# Altium PCB MB V7.PcbDoc (part 2 of 3) (continued)
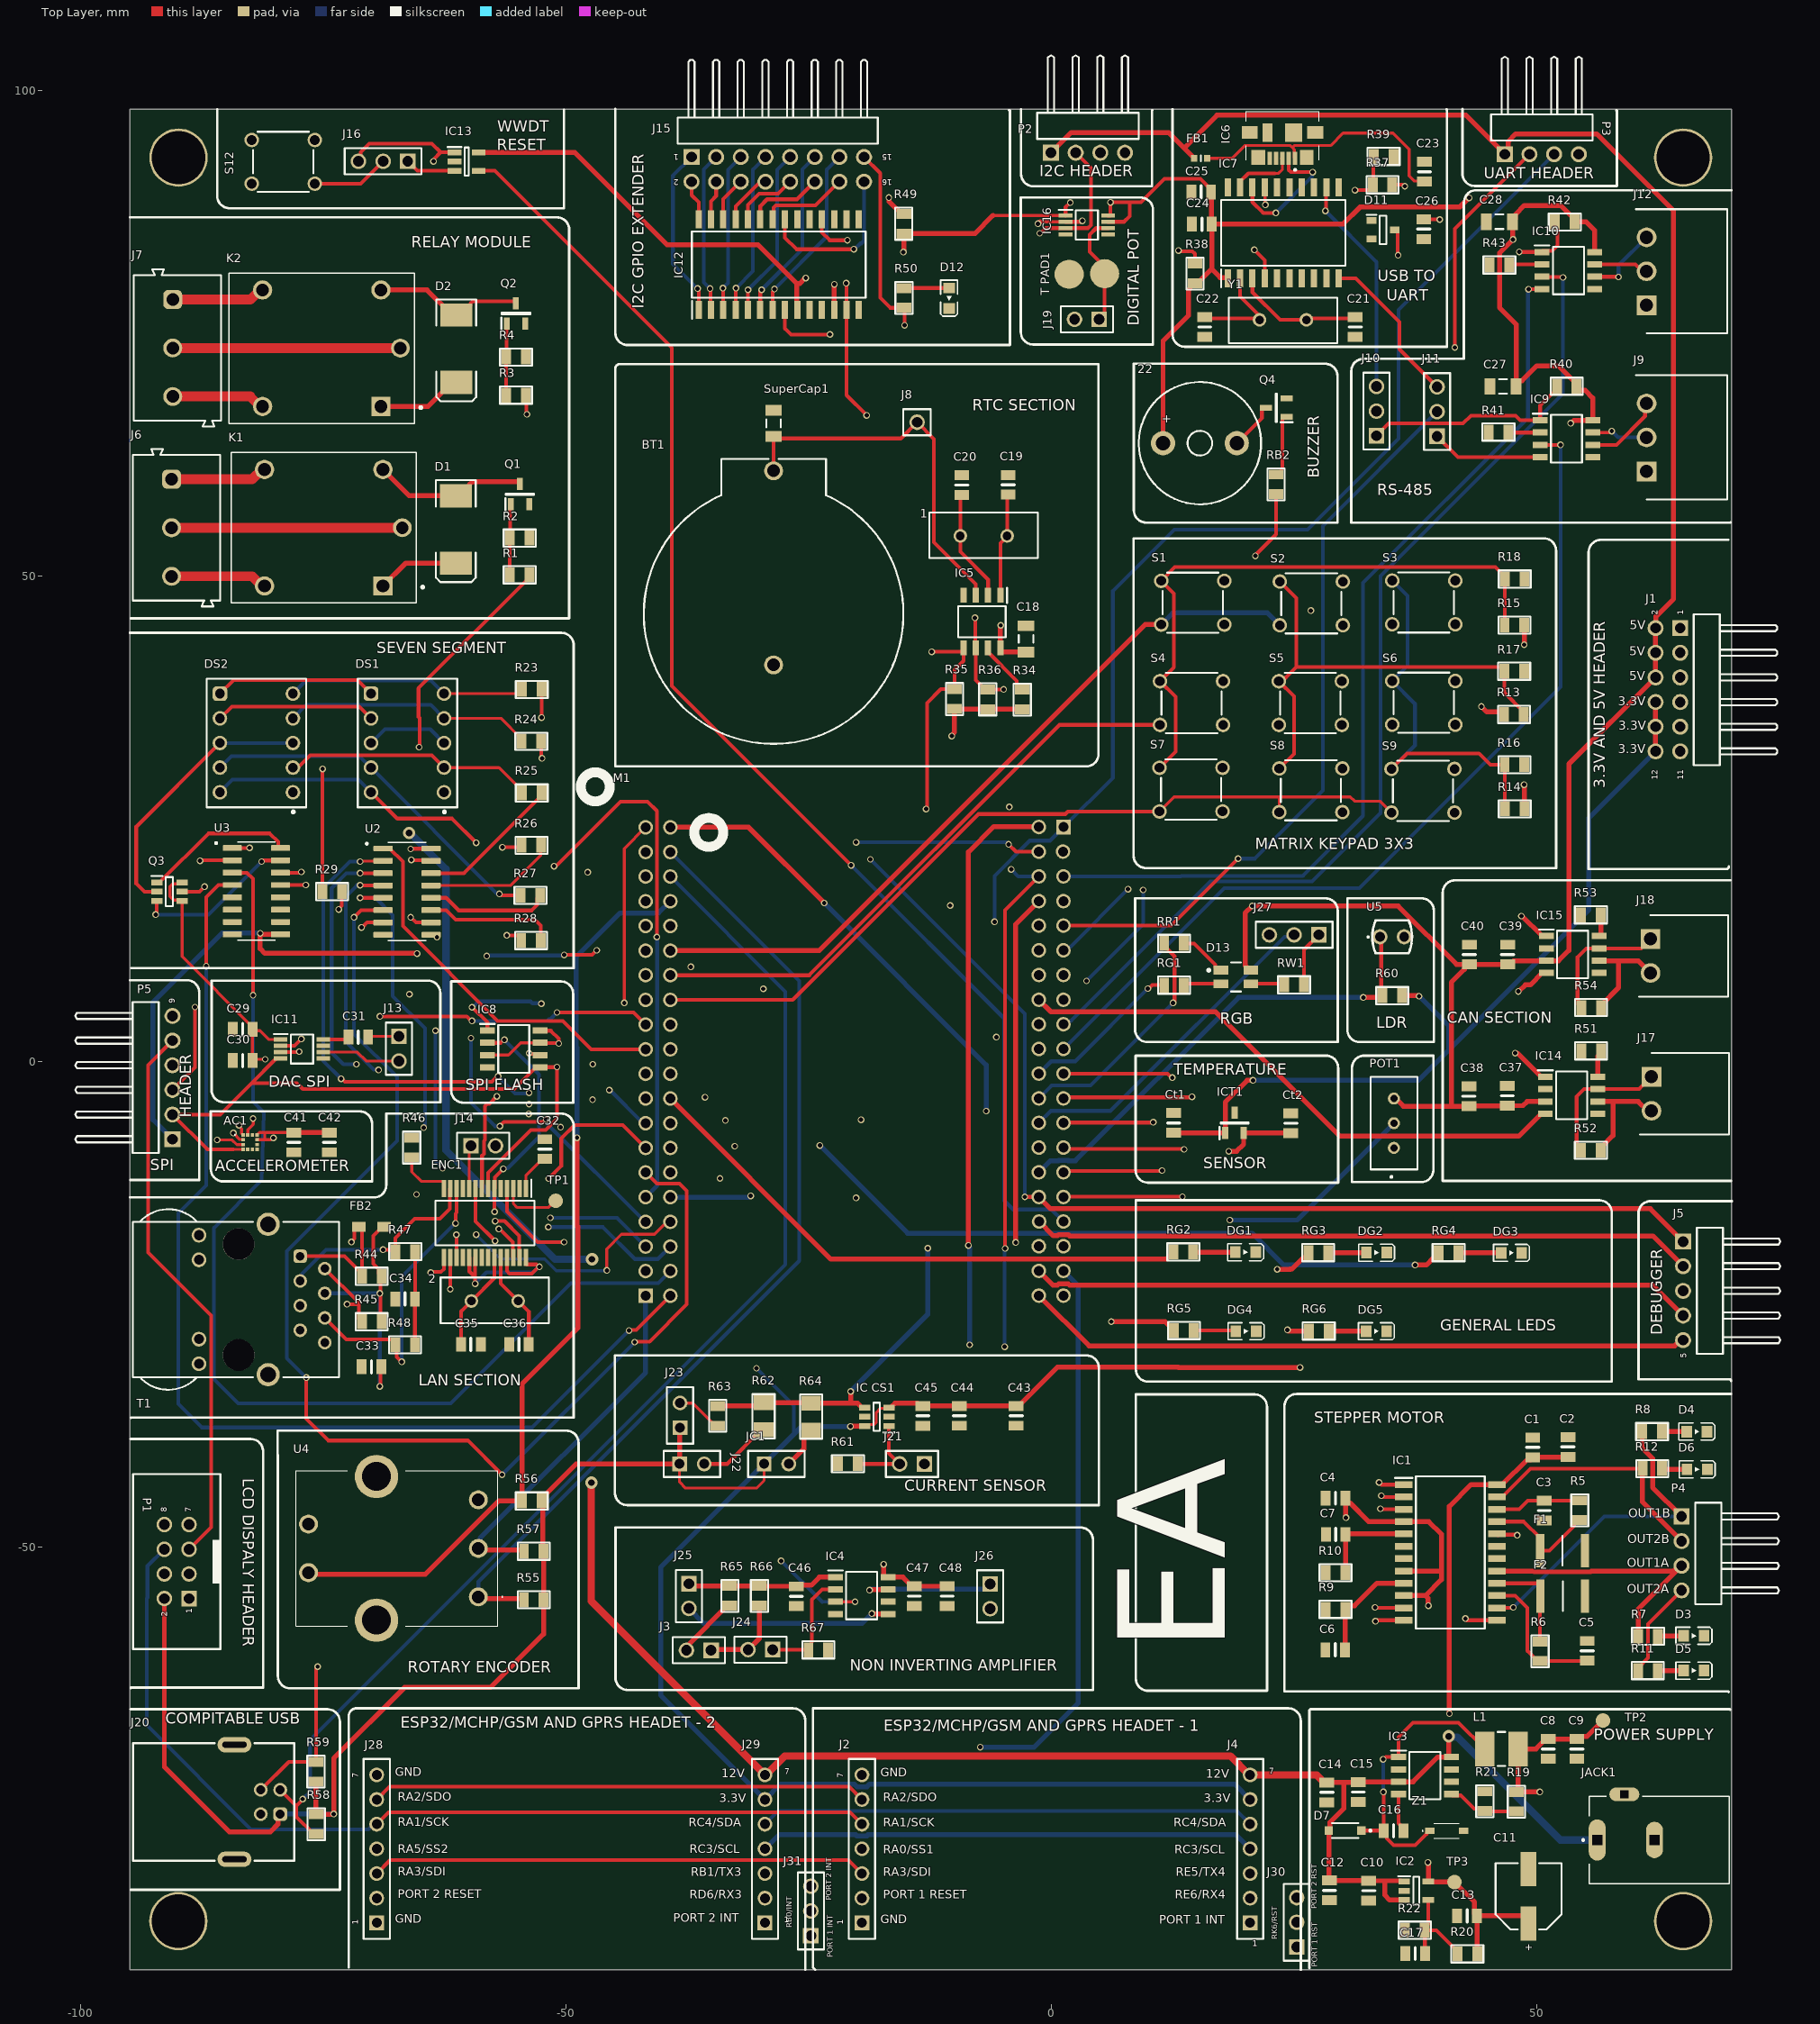
[diagram p0: Top Layer view]
## Nets (pads, with @x,y where several pads share a name; then routed paths per layer and width w, separated by ;. In a path a pad name is that pad's centre, name@x,y a point inside that pad or via, vN(x,y) a via of type N, cw(c..) or ccw(c..) an arc to the next point about the centre after c; other vN are vias at no path point) (continued)
  MID BOTTOM w0.305: v1(-47.758,19.468) -47.008,20.218 -25.171,20.218 -21.006,16.053 v1(-10.401,16.053)
CAN_Rx1: IC14.4 M1.48 | length 59
  Top Layer w0.508: M1.48@-1.27,6.35 0,5.08 16.942,5.08 29.743,-7.722 48.171,-7.722 50.482,-5.41 IC14.4@50.921,-5.41
CAN_Rx2: IC15.4 M1.50 | length 55.5
  Top Layer w0.508: v1(48.134,7.2) 48.182,7.2 48.864,7.883 49.373,7.883 50.584,9.093 IC15.4@51.023,9.093
  MID BOTTOM w0.508: M1.50@-1.27,1.27 0.051,2.591 43.498,2.591 48.107,7.2 v1(48.134,7.2)
CAN_Tx1: IC14.1 M1.47 | length 57.6
  Top Layer w0.508: v1(47.816,0.838) 48.044,0.838 50.482,-1.6 IC14.1@50.921,-1.6
  MID TOP w0.508: M1.47@-1.27,8.89 0.025,10.185 38.468,10.185 v1(47.816,0.838)
CAN_Tx2: IC15.1 M1.49 | length 57.8
  Top Layer w0.508: v1(48.451,14.961) 48.526,14.961 50.584,12.903 IC15.1@51.023,12.903
  MID BOTTOM w0.508: M1.49@-1.27,3.81 -0.025,5.055 38.545,5.055 v1(48.451,14.961)
CLKOUT: ENC1.3 TP1.1 | length 6.4
  Top Layer w0.305: ENC1.3@-55.419,-13.112 -55.419,-14.647 -55.004,-15.062 -51.823,-15.062 -51.137,-14.376 TP1.1@-51.054,-14.376
D+: IC6.3 IC7.19 | length 6.6
  Top Layer w0.305: 23.038,91.471 23.425,91.471 23.825,91.872 23.825,92.965 IC6.3@23.803,92.986
  Top Layer w0.381: IC7.19@19.469,90.019 19.469,90.619 20.321,91.471 23.038,91.471 ; IC6.3@23.803,92.986 IC6.3@23.838,93.021
D-: IC6.2 IC7.18 | length 13.9
  Top Layer w0.381: IC7.18@20.739,90.019 20.739,88.519 21.857,87.401 v1(23.152,87.401) ; IC6.2@24.488,93.021 24.488,91.816 24.711,91.592 v1(26.949,91.592)
  Bottom Layer w0.381: v1(23.152,87.401) 26.891,91.14 26.891,91.534 v1(26.949,91.592)
GND: "IC CS1.2" "IC CS1.5" "T PAD1.1" AC1.5 AC1.6 AC1.7 AC1.8 BT1.2 C1.2 C2.2 C3.2 C4.2 C5.2 C6.2 C7.2 C8.2 C9.2 C10.2 C11.1 C12.2 C13.2 C14.2 C15.2 C17.1 C18.2 C19.2 C20.2 C21.2 C22.2 C23.2 C24.2 C25.2 C26.2 C27.1 C28.1 C29.1 C30.2 C32.1 C33.2 C34.2 C35.2 C36.2 C37.2 C38.2 C39.2 C40.2 C41.2 C42.2 C43.2 C44.2 C45.1 C46.2 C47.2 C48.2 Ct1.2 Ct2.2 D3.1 D4.1 D5.1 D6.1 D11.1 D12.1 DG1.1 DG2.1 DG3.1 DG4.1 DG5.1 ENC1.2 ENC1.11 ENC1.18 ENC1.21 ENC1.22 F1.1 F2.1 IC1.6 IC1.7 IC1.18 IC1.19 IC2.2 IC3.2 IC3.6 IC3.7 IC4.4 IC4.6 IC5.4 IC6.5 IC7.20 IC8.4 IC9.5 IC10.5 IC11.5 IC11.7 IC12.10 IC12.15 IC12.16 IC12.17 IC13.2 IC14.2 IC15.2 IC16.4 IC16.5 ICT1.3 J1.1 J1.3 J1.5 J1.7 J1.9 J1.11 J2.1 J2.7 J5.3 J9.1 J12.1 J19.2 J20.4 J20.Shell J21.1 J26.2 J28.1 J28.7 JACK1.B JACK1.C M1.58 P1.7 P1.8 P2.4 P3.4 P5.6 POT1.1 Q1.2 Q2.2 Q4.2 R2.1 R4.1 R9.1 R10.1 R16.1 R17.1 R18.1 R21.1 R22.1 R39.2 R41.2 R43.2 R46.1 R51.1 R53.1 R61.1 R67.1 S12.1 SuperCap1.2 T1.8 T1.12 U4.C1 U4.E1 U5.2 Z1.2
GPA0: IC12.21 J15.16 | length 17
  Top Layer w0.381: IC12.21@-27.432,86.742 -27.426,86.736 -27.426,84.842 -26.238,83.655 v1(-20.333,83.655)
  Bottom Layer w0.381: v1(-20.333,83.655) -20.25,83.655 -19.653,84.252 -19.57,84.252 -19.279,84.544 J15.16@-19.279,90.615
GPA1: IC12.22 J15.14 | length 9.1
  Top Layer w0.381: IC12.22@-28.702,86.742 -28.599,86.845 -28.599,87.936 -28.373,88.163 -24.271,88.163 J15.14@-21.819,90.615
GPA2: IC12.23 J15.12 | length 8
  Top Layer w0.381: IC12.23@-29.972,86.742 -29.972,88.1 -29.273,88.798 -26.175,88.798 J15.12@-24.359,90.615
GPA3: IC12.24 J15.10 | length 6.8
  Top Layer w0.381: IC12.24@-31.242,86.742 -31.242,88.227 -30.086,89.383 -28.131,89.383 J15.10@-26.899,90.615
GPA4: IC12.25 J15.8 | length 5.5
  Top Layer w0.381: IC12.25@-32.512,86.742 -32.512,88.074 -30.214,90.372 -29.681,90.372 J15.8@-29.439,90.615
GPA5: IC12.26 J15.6 | length 4.6
  Top Layer w0.381: IC12.26@-33.782,86.742 -33.782,88.812 J15.6@-31.979,90.615
GPA6: IC12.27 J15.4 | length 4.1
  Top Layer w0.381: IC12.27@-35.052,86.742 -35.052,88.608 -34.519,89.141 J15.4@-34.519,90.615
GPA7: IC12.28 J15.2 | length 4.2
  Top Layer w0.381: J15.2@-37.059,90.615 -37.035,90.591 -37.035,89.219 -36.322,88.506 IC12.28@-36.322,86.742
GPB0: IC12.1 J15.1 | length 17.7
  Top Layer w0.381: v1(-36.436,79.604) -36.436,79.521 -36.322,79.407 IC12.1@-36.322,77.392
  Bottom Layer w0.381: J15.1@-37.059,93.155 -38.976,91.237 -38.976,82.144 v1(-36.436,79.604)
GPB1: IC12.2 J15.3 | length 16.6
  Top Layer w0.381: v1(-35.141,79.604) -35.096,79.559 -35.096,77.437 IC12.2@-35.052,77.392
  Bottom Layer w0.381: v1(-35.141,79.604) -35.789,80.251 -35.789,91.885 J15.3@-34.519,93.155
GPB2: IC12.3 J15.5 | length 16.5
  Top Layer w0.381: v1(-33.82,79.654) -33.801,79.635 -33.801,77.411 IC12.3@-33.782,77.392
  Bottom Layer w0.381: v1(-33.82,79.654) -33.3,80.175 -33.3,91.834 J15.5@-31.979,93.155
GPB3: IC12.4 J15.7 | length 17
  Top Layer w0.381: IC12.4@-32.512,77.392 -32.493,77.412 -32.493,79.635 v1(-32.474,79.654)
  Bottom Layer w0.381: v1(-32.474,79.654) -30.734,81.394 -30.734,91.86 J15.7@-29.439,93.155
GPB4: IC12.5 J15.9 | length 17.6
  Top Layer w0.381: IC12.5@-31.242,77.392 -31.236,77.399 -31.236,79.47 v1(-31.229,79.477)
  Bottom Layer w0.381: v1(-31.229,79.477) -28.219,82.486 -28.219,91.834 J15.9@-26.899,93.155
GPB5: IC12.6 J15.11 | length 18.1
  Top Layer w0.381: IC12.6@-29.972,77.392 -29.972,79.254 -29.832,79.394 v1(-29.832,79.477)
  Bottom Layer w0.381: v1(-29.832,79.477) -25.629,83.68 -25.629,91.885 J15.11@-24.359,93.155
GPB6: IC12.7 J15.13 | length 18.6
  Top Layer w0.381: IC12.7@-28.702,77.392 -28.702,79.28 -28.511,79.47 v1(-28.511,79.553)
  Bottom Layer w0.381: v1(-28.511,79.553) -23.114,84.95 -23.114,91.86 J15.13@-21.819,93.155
GPB7: IC12.8 J15.15 R50.2 | length 34.9
  Top Layer w0.381: IC12.8@-27.432,77.392 -27.432,75.489 -26.797,74.854 -22.809,74.854 v1(-22.784,74.879) ; J15.15@-19.279,93.155 -17.615,91.491 -17.615,78.664 -16.573,77.622 R50.2@-15.164,77.622 -15.1,77.559 v1(-15.1,75.819)
  MID TOP w0.381: v1(-22.784,74.879) -22.701,74.879 -22.524,74.701 -16.243,74.701 -15.126,75.819 v1(-15.1,75.819)
LEDA: ENC1.27 T1.9 | length 37.6
  Top Layer w0.381: v1(-57.29,-16.459) -56.324,-16.459 -54.803,-17.98 -54.803,-20.178 ENC1.27@-54.769,-20.212
  MID TOP w0.381: T1.9@-87.811,-17.911 -84.962,-15.062 -61.827,-15.062 -60.43,-16.459 v1(-57.29,-16.459)
LEDB: ENC1.26 T1.11 | length 48.4
  Top Layer w0.381: v1(-56.915,-17.265) -56.832,-17.265 -55.456,-18.641 -55.456,-20.175 ENC1.26@-55.425,-20.206
  MID BOTTOM w0.381: T1.11@-87.811,-28.621 -89.167,-29.977 -89.167,-32.055 -86.246,-34.976 -75.184,-34.976 -57.473,-17.265 v1(-56.915,-17.265)
MCLR: IC13.1 J5.1 J16.3 M1.56 | length 214.3
  Top Layer w0.381: J16.3@-71.374,92.71 -71.165,92.919 -71.165,93.643 -70.269,94.539 -63.817,94.539 -62.913,93.635 ; v1(-63.64,92.71) -63.64,92.908 -62.913,93.635 ; IC13.1@-61.473,93.635 -62.913,93.635 ; v1(-2.718,-13.97) M1.56@-1.27,-13.97
  Top Layer w0.508: M1.56@-1.27,-13.97 -0.051,-15.189 61.733,-15.189 J5.1@65.112,-18.567
  MID TOP w0.381: v1(-63.64,92.71) -18.631,47.701 v1(-18.631,20.803)
  Bottom Layer w0.381: v1(-18.631,20.803) -2.718,4.89 v1(-2.718,-13.97)
Net1_1: 1.1 C20.1 IC5.2 | length 11.6
  Top Layer w0.381: C20.1@-9.207,58.344 -9.36,58.191 1.1@-9.36,54.127 -9.36,52.489 -6.496,49.625 IC5.2@-6.496,47.999
Net1_2: 1.2 C19.1 IC5.1 | length 10.7
  Top Layer w0.381: IC5.1@-5.226,47.999 -5.226,53.395 -4.534,54.087 -4.534,58.268 C19.1@-4.432,58.369
Net22_2: 22.2 Q4.3 | length 5.1
  Top Layer w0.381: 22.2@19.129,63.678 21.718,66.267 21.718,67.226 21.828,67.335 Q4.3@22.153,67.335
NetC3_1: C3.1 IC1.22 R5.2 | length 8.9
  Top Layer w0.381: IC1.22@45.935,-46.152 48.222,-46.152 49.111,-45.263 C3.1@50.813,-45.263 50.825,-45.25 54.458,-45.25 R5.2@54.47,-45.237
NetC5_1: C5.1 IC1.15 R6.1 | length 14.7
  Top Layer w0.381: IC1.15@45.935,-55.042 47.816,-55.042 49.06,-56.286 49.06,-60.731 50.127,-61.798 R6.1@50.381,-61.798 50.406,-61.773 55.207,-61.773 C5.1@55.232,-61.747
NetC16_1: C16.1 IC3.4 | length 4
  Top Layer w0.381: IC3.4@35.794,-75.489 35.794,-78.504 36.309,-79.019 C16.1@36.309,-79.273
NetC16_2: C16.2 D7.1 IC3.1 L1.1 Z1.1 | length 30.5
  Top Layer w0.381: D7.1@31.965,-79.248 34.252,-79.248 C16.2@34.277,-79.273 ; v1(34.201,-71.907) 34.284,-71.907 34.512,-71.679 IC3.1@35.794,-71.679 35.794,-69.603 37.275,-68.123 41.975,-68.123 L1.1@44.693,-70.841 ; v1(34.227,-75.26) 34.277,-75.311 C16.2@34.277,-79.273 ; Z1.1@39.002,-79.273 38.842,-79.273 38.707,-79.408 38.707,-79.568 37.503,-80.772 35.293,-80.772 34.595,-80.073 34.595,-79.591 C16.2@34.277,-79.273
  Bottom Layer w0.381: v1(34.201,-71.907) 34.227,-71.933 v1(34.227,-75.26)
NetC17_2: C17.2 IC2.4 R20.2 R22.2 | length 10.2
  Top Layer w0.381: C17.2@38.519,-91.923 38.506,-91.91 38.506,-89.522 R22.2@38.494,-89.51 ; IC2.4@38.875,-86.396 38.875,-88.874 38.494,-89.256 R22.2@38.494,-89.51 ; R20.2@41.872,-91.948 41.872,-91.694 39.688,-89.51 R22.2@38.494,-89.51
NetC23_1: C23.1 FB1.2 IC6.1 | length 28.5
  Top Layer w0.305: FB1.2@16.091,93.015 18.641,93.015 19.962,94.336 24.651,94.336 24.858,94.128 ; IC6.1@25.138,93.021 25.065,93.094 25.065,93.921 24.858,94.128 ; C23.1@38.468,90.627 38.418,90.677 37.428,90.677 36.881,91.224 36.881,93.968 35.217,95.631 30.086,95.631 28.791,94.336 25.065,94.336 24.858,94.128
NetC31_1: C31.1 J13.1 | length 3.2
  Top Layer w0.305: C31.1@-70.383,2.489 -70.307,2.565 J13.1@-67.208,2.565
NetC31_2: C31.2 IC11.8 | length 2.7
  Top Layer w0.381: IC11.8@-74.991,2.245 -72.66,2.245 C31.2@-72.415,2.489
NetC32_2: C32.2 ENC1.1 | length 4
  Top Layer w0.305: ENC1.1@-54.119,-13.112 -54.119,-11.752 -52.426,-10.058 C32.2@-52.172,-10.058
NetC33_1: C33.1 FB2.1 R44.1 R45.2 T1.4 | length 28.2
  Top Layer w0.381: v1(-69.177,-33.49) -69.118,-33.432 -69.118,-31.577 C33.1@-69.012,-31.471 ; R45.2@-68.986,-26.822 -69.118,-26.69 -69.118,-23.96 v1(-69.177,-23.901) -69.118,-23.843 -69.118,-22.281 R44.1@-68.986,-22.149 -69.304,-21.831 -69.304,-21.405 -69.863,-20.846 -69.863,-17.978 -68.928,-17.043 FB2.1@-68.728,-17.043
  Bottom Layer w0.381: T1.4@-74.841,-23.896 -74.839,-23.899 -69.179,-23.899 v1(-69.177,-23.901) v1(-69.177,-33.49)
NetC34_1: C34.1 R47.1 R48.2 | length 9.6
  Top Layer w0.381: R48.2@-65.557,-29.21 C34.1@-65.557,-24.486 -65.545,-24.473 -65.545,-19.621 R47.1@-65.532,-19.609
NetC46_1: C46.1 IC4.1 J25.1 R65.2 R66.1 | length 15.6
  Top Layer w0.508: J25.1@-37.325,-53.823 -37.097,-54.051 R65.2@-33.109,-54.051 R66.1@-30.061,-54.051 -30.035,-54.077 -26.276,-54.077 C46.1@-26.251,-54.102 -26.126,-53.977 -24.727,-53.977 -23.886,-53.137 IC4.1@-22.231,-53.137
NetD1_1: D1.1 K1.A2 Q1.3 | length 16.1
  Top Layer w0.508: K1.A2@-68.853,60.966 -66.15,58.263 -60.891,58.263 -59.945,59.209 -59.945,59.392 -59.647,59.69 -54.783,59.69 -54.737,59.644 Q1.3@-54.737,59.47
NetD2_1: D2.1 K2.A2 Q2.3 | length 15.8
  Top Layer w0.381: D2.1@-61.74,76.881 -60.84,76.881 -59.831,77.89 -59.831,78.085 -59.608,78.308 -55.253,78.308 -55.143,78.199 Q2.3@-55.143,78.088
  Top Layer w0.508: K2.A2@-69.055,79.462 -64.322,79.462 D2.1@-61.74,76.881
NetD3_2: D3.2 R7.2 | length 2.7
  Top Layer w0.508: R7.2@62.522,-59.233 62.573,-59.182 D3.2@65.181,-59.182
NetD4_2: D4.2 R8.2 | length 2.6
  Top Layer w0.508: R8.2@62.929,-38.151 D4.2@65.485,-38.151
NetD5_2: D5.2 R11.2 | length 2.7
  Top Layer w0.508: R11.2@62.497,-62.763 D5.2@65.181,-62.763
NetD6_2: D6.2 R12.2 | length 2.6
  Top Layer w0.508: R12.2@62.954,-41.961 63.03,-42.037 D6.2@65.511,-42.037
NetD12_2: D12.2 R50.1 | length 4.7
  Top Layer w0.381: R50.1@-15.164,79.654 -15.159,79.659 -10.52,79.659 D12.2@-10.516,79.663
NetD13_2: D13.2 RW1.2 | length 3.5
  Top Layer w0.381: D13.2@20.587,7.987 23.903,7.987 RW1.2@24.016,7.874
NetD13_3: D13.3 RR1.2 | length 5.1
  Top Layer w0.381: RR1.2@13.678,12.141 14.733,12.141 16.928,9.946 16.928,9.646 17.187,9.387 D13.3@17.487,9.387
NetD13_4: D13.4 RG1.2 | length 3.9
  Top Layer w0.381: RG1.2@13.678,7.849 13.816,7.987 D13.4@17.487,7.987
NetDG1_2: DG1.2 RG2.1 | length 4.3
  Top Layer w0.508: RG2.1@14.643,-19.634 14.669,-19.66 DG1.2@18.978,-19.66
NetDG2_2: DG2.2 RG3.1 | length 3.9
  Top Layer w0.508: RG3.1@28.537,-19.71 DG2.2@32.478,-19.71
NetDG3_2: DG3.2 RG4.1 | length 4.4
  Top Layer w0.508: RG4.1@41.974,-19.71 41.999,-19.736 DG3.2@46.385,-19.736
NetDG4_2: DG4.2 RG5.1 | length 4.4
  Top Layer w0.381: RG5.1@14.694,-27.737 18.953,-27.737 DG4.2@19.029,-27.813
NetDG5_2: DG5.2 RG6.1 | length 3.9
  Top Layer w0.508: RG6.1@28.588,-27.788 28.613,-27.813 DG5.2@32.465,-27.813
NetDS1_1: DS1.1 DS2.1 R29.1 | length 39.2
  Top Layer w0.381: DS2.1@-85.65,37.871 -84.253,39.268 -71.476,39.268 DS1.1@-70.079,37.871 ; R29.1@-75.108,17.475 -75.108,30.01 -75.07,30.048 v1(-75.07,30.124)
  MID TOP w0.381: v1(-75.07,30.124) -75.07,32.881 DS1.1@-70.079,37.871
NetDS1_2: DS1.2 DS2.2 R28.1 | length 49.4
  Top Layer w0.381: DS2.2@-85.65,35.331 -84.43,36.551 -71.299,36.551 DS1.2@-70.079,35.331 ; v1(-56.096,12.979) -54.927,12.979 -54.61,12.662 R28.1@-54.61,12.446
  MID BOTTOM w0.381: DS1.2@-70.079,35.331 -65.316,35.331 -64.3,34.315 -64.3,32.719 -64.287,32.707 -64.287,32.012 -64.3,32 -64.3,22.796 -56.096,14.592 v1(-56.096,12.979)
NetDS1_4: DS1.4 DS2.4 R27.1 | length 37.4
  Top Layer w0.381: v1(-56.858,17.247) -56.775,17.247 -56.623,17.094 R27.1@-54.661,17.094
  Bottom Layer w0.381: DS2.4@-85.65,30.251 -84.456,31.445 -71.273,31.445 DS1.4@-70.079,30.251 -57.075,17.247 v1(-56.858,17.247)
NetDS1_5: DS1.5 DS2.5 R26.1 | length 34.6
  Top Layer w0.381: DS1.5@-70.079,27.711 -67.369,25.001 -61.742,25.001 v1(-59.245,22.504) ; v1(-56.553,22.047) -54.762,22.047 R26.1@-54.559,22.25
  MID BOTTOM w0.381: v1(-59.245,22.504) -57.01,22.504 v1(-56.553,22.047)
  Bottom Layer w0.381: DS2.5@-85.65,27.711 -84.354,29.007 -71.375,29.007 DS1.5@-70.079,27.711
NetDS1_7: DS1.7 DS2.7 R25.1 | length 25.9
  Top Layer w0.305: DS1.7@-62.559,30.251 -56.896,30.251 -54.534,27.889 R25.1@-54.534,27.635
  Top Layer w0.381: DS2.7@-78.13,30.251 -77.915,30.466 -77.412,30.466 -76.356,31.521 -63.829,31.521 DS1.7@-62.559,30.251
NetDS1_9: DS1.9 DS2.9 R24.1 | length 25.8
  Top Layer w0.305: DS1.9@-62.559,35.331 -56.693,35.331 -54.585,33.223 R24.1@-54.585,32.969
  Bottom Layer w0.381: DS2.9@-78.13,35.331 -76.758,36.703 -63.931,36.703 DS1.9@-62.559,35.331
NetDS1_10: DS1.10 DS2.10 R23.1 | length 24.9
  Top Layer w0.305: DS1.10@-62.559,37.871 -54.889,37.871 -54.534,38.227 R23.1@-54.534,38.303
  Bottom Layer w0.381: DS2.10@-78.13,37.871 -76.783,39.218 -63.906,39.218 DS1.10@-62.559,37.871
NetENC1_14: ENC1.14 R46.2 | length 5.9
  Top Layer w0.305: R46.2@-65.888,-9.906 -65.888,-11.392 -64.915,-12.365 -62.641,-12.365 -62.569,-12.437 ENC1.14@-62.569,-13.112
NetF1_2: F1.2 IC1.21 R5.1 | length 12
  Top Layer w0.381: IC1.21@45.935,-47.422 48.685,-47.422 50.392,-49.129 F1.2@50.392,-50.419 51.321,-50.419 53.899,-47.841 53.899,-47.587 54.216,-47.269 R5.1@54.47,-47.269
NetF2_2: F2.2 IC1.16 R6.2 | length 10.4
  Top Layer w0.381: IC1.16@45.935,-53.772 50.183,-53.772 50.418,-54.006 F2.2@50.418,-55.093 50.381,-55.129 R6.2@50.381,-59.766
NetIC3_5: IC3.5 R19.1 R21.2 | length 7.4
  Top Layer w0.381: IC3.5@41.244,-75.489 41.379,-75.623 42.21,-75.623 43.589,-77.002 44.452,-77.002 44.717,-77.267 47.917,-77.267 R19.1@47.943,-77.292
NetIC4_2: IC4.2 J24.1 R67.2 | length 11.9
  Top Layer w0.381: J24.1@-28.689,-60.604 -25.032,-60.604 R67.2@-25.006,-60.63 -24.689,-60.312 -24.689,-59.873 -24.651,-59.835 -24.651,-55.448 -23.609,-54.407 IC4.2@-22.231,-54.407
NetIC4_7: IC4.7 J26.1 | length 14.6
  Top Layer w0.508: v1(-18.707,-54.483) -18.659,-54.483 -18.583,-54.407 IC4.7@-16.809,-54.407
  Bottom Layer w0.508: v1(-18.707,-54.483) -18.618,-54.394 -6.832,-54.394 J26.1@-6.286,-53.848
NetIC5_7: IC5.7 R34.1 | length 5.9
  Top Layer w0.381: IC5.7@-6.496,42.577 -6.496,42.138 -3.543,39.186 -3.543,38.595 -3.226,38.278 R34.1@-2.972,38.278
NetIC7_4: IC7.4 R38.2 | length 14.1
  Top Layer w0.381: v1(13.119,83.515) 13.178,83.457 14.549,83.457 14.821,83.185 R38.2@14.821,82.169 ; v1(20.942,83.591) 22.009,82.525 IC7.4@22.009,80.669
  MID TOP w0.381: v1(13.119,83.515) 13.195,83.591 v1(20.942,83.591)
NetIC9_2: IC9.2 R41.1 | length 3.3
  Top Layer w0.381: R41.1@47.104,64.821 47.155,64.77 IC9.2@50.388,64.77
NetIC9_6: IC9.6 J9.3 | length 8
  Top Layer w0.381: IC9.6@55.81,63.5 58.255,63.5 61.199,66.444 61.199,67.612 J9.3@61.354,67.767
NetIC9_7: IC9.7 J9.2 | length 5.9
  Top Layer w0.305: IC9.7@55.81,64.77 57.516,64.77 57.663,64.917 v1(57.766,64.917)
  Bottom Layer w0.381: v1(57.766,64.917) 58.415,64.267 J9.2@61.354,64.267
NetIC10_2: IC10.2 R43.1 | length 3.4
  Top Layer w0.381: R43.1@47.206,82.093 IC10.2@50.591,82.093
NetIC10_6: IC10.6 J12.3 | length 7.7
  Top Layer w0.381: IC10.6@56.013,80.823 58.433,80.823 v1(58.458,80.797)
  Bottom Layer w0.381: v1(58.458,80.797) 58.458,81.986 J12.3@61.354,84.882
NetIC10_7: IC10.7 J12.2 | length 5.6
  Top Layer w0.381: IC10.7@56.013,82.093 60.198,82.093 60.909,81.382 J12.2@61.354,81.382
NetIC11_6: IC11.6 J13.2 | length 8.2
  Top Layer w0.305: IC11.6@-74.991,0.945 -71.497,0.945 -70.577,0.025 J13.2@-67.208,0.025
NetIC12_18: IC12.18 R49.1 | length 12.9
  Top Layer w0.381: IC12.18@-23.622,86.742 -23.622,85.382 -22.822,84.582 v1(-20.993,84.582)
  Top Layer w0.508: v1(-16.726,88.976) -16.692,88.942 -16.692,88.548 -15.443,87.3 R49.1@-15.189,87.3
  MID TOP w0.508: v1(-20.993,84.582) -16.726,88.849 v1(-16.726,88.976)
NetIC13_3: IC13.3 J16.1 | length 5.2
  Top Layer w0.381: J16.1@-66.294,92.71 -65.319,91.735 IC13.3@-61.473,91.735
NetIC14_6: IC14.6 J17.2 R52.1 | length 11.5
  Top Layer w0.508: IC14.6@56.343,-4.14 57.899,-4.14 ; R52.1@56.629,-9.169 56.629,-8.915 57.899,-7.645 57.899,-4.14 ; J17.2@61.862,-5.1 61.451,-5.1 60.491,-4.14 57.899,-4.14
NetIC14_7: IC14.7 J17.1 R52.2 | length 14.3
  Top Layer w0.381: R52.2@54.597,-9.169 54.597,-8.915 54.14,-8.458 54.14,-3.658 54.928,-2.87 IC14.7@56.343,-2.87 60.592,-2.87 J17.1@61.862,-1.6
NetIC14_8: IC14.8 R51.2 | length 2.8
  Top Layer w0.508: IC14.8@56.343,-1.6 56.343,0.501 56.655,0.813 R51.2@56.655,1.067
NetIC15_6: IC15.6 J18.2 R54.1 | length 11.4
  Top Layer w0.508: IC15.6@56.445,10.363 58.47,10.363 ; R54.1@56.655,5.537 56.655,5.791 58.47,7.606 58.47,10.363 ; J18.2@61.76,9.098 60.495,10.363 58.47,10.363
NetIC15_7: IC15.7 J18.1 R54.2 | length 13.7
  Top Layer w0.381: R54.2@54.623,5.537 54.305,5.855 54.305,6.268 54.242,6.332 54.242,10.744 55.131,11.633 IC15.7@56.445,11.633 60.795,11.633 J18.1@61.76,12.598
NetIC15_8: IC15.8 R53.2 | length 2.3
  Top Layer w0.508: IC15.8@56.445,12.903 56.558,12.903 56.629,12.974 R53.2@56.629,15.088
"NetIC CS1_1": "IC CS1.1" J21.2 R61.2 | length 8.7
  Top Layer w0.381: R61.2@-19.926,-41.453 -19.901,-41.478 J21.2@-15.608,-41.478 -16.715,-40.371 -16.715,-37.577
NetJ3_1: J3.1 J24.2 R66.2 | length 8.8
  Top Layer w0.508: J3.1@-35.039,-60.681 -34.963,-60.604 J24.2@-31.229,-60.604 -30.061,-59.436 R66.2@-30.061,-56.083
NetJ3_2: J3.2 R65.1 | length 6.6
  Top Layer w0.508: J3.2@-37.579,-60.681 -37.37,-60.472 -37.37,-60.091 -33.363,-56.083 R65.1@-33.109,-56.083
NetJ6_1: J6.1 K1.NO | length 10
  Top Layer w1.016: J6.1@-90.627,59.966 -82.314,59.966 -81.314,60.966 K1.NO@-81.053,60.966
NetJ6_2: J6.2 K1.COM | length 23.8
  Top Layer w1.016: J6.2@-90.627,54.966 K1.COM@-66.853,54.966
NetJ6_3: J6.3 K1.NC | length 10
  Top Layer w1.016: J6.3@-90.627,49.966 -82.314,49.966 -81.314,48.966 K1.NC@-81.053,48.966
NetJ7_1: J7.1 K2.NO | length 9.7
  Top Layer w1.016: J7.1@-90.518,78.482 -82.495,78.482 -81.515,79.462 K2.NO@-81.255,79.462
NetJ7_2: J7.2 K2.COM | length 23.5
  Top Layer w1.016: J7.2@-90.518,73.482 -90.508,73.472 -67.065,73.472 K2.COM@-67.055,73.462
NetJ7_3: J7.3 K2.NC | length 9.7
  Top Layer w1.016: J7.3@-90.518,68.482 -82.536,68.482 -81.515,67.462 K2.NC@-81.255,67.462
NetJ16_2: J16.2 S12.4 | length 8
  Top Layer w0.381: S12.4@-75.871,90.409 -71.135,90.409 J16.2@-68.834,92.71
NetJ22_2: J22.2 R62.1 | length 7.6
  Top Layer w0.381: J22.2@-35.75,-41.478 -33.388,-41.478 -29.883,-37.973 R62.1@-29.629,-37.973
NetJ23_2: J23.2 R63.1 | length 4.9
  Top Layer w0.305: J23.2@-38.24,-35.204 -36.944,-35.204 -34.607,-37.541 R63.1@-34.353,-37.541
NetJC1_2: JC1.2 R64.1 | length 4.6
  Top Layer w0.508: JC1.2@-27.038,-41.478 -25.489,-39.929 -25.489,-38.506 -24.981,-37.998 R64.1@-24.727,-37.998
NetQ1_1: Q1.1 R1.1 R2.2 | length 7.3
  Top Layer w0.381: R1.1@-55.778,50.114 R2.2@-55.778,53.899 -55.733,53.944 -55.733,57.324 Q1.1@-55.687,57.37
NetQ2_1: Q2.1 R3.1 R4.2 | length 7.4
  Top Layer w0.381: R3.1@-56.159,68.631 R4.2@-56.159,72.542 -56.126,72.575 -56.126,75.955 Q2.1@-56.093,75.988
NetQ4_1: Q4.1 RB2.2 | length 6.7
  Top Layer w0.381: RB2.2@23.178,60.452 23.432,60.452 23.749,60.77 23.749,61.023 23.818,61.093 23.818,66.276 23.928,66.385 Q4.1@24.253,66.385
NetR13_2: R13.2 R17.2 S2.1 S5.1 S8.1 | length 49.1
  Top Layer w0.381: S8.1@23.509,30.165 25.019,31.675 25.019,37.595 S5.1@23.458,39.156 23.761,39.156 24.136,39.531 24.19,39.531 25.273,40.615 ; S2.1@23.56,49.418 25.273,47.705 25.273,40.615 ; R13.2@48.705,35.738 48.705,35.992 46.698,37.998 R17.2@46.698,40.183 46.698,40.297 46.38,40.615 25.273,40.615
NetR14_2: R14.2 R16.2 S3.1 S6.1 S9.1 | length 40.1
  Top Layer w0.381: S9.1@35.066,30.114 36.677,31.725 44.082,31.725 45.25,30.556 R16.2@46.723,30.556 46.736,30.543 46.736,26.022 R14.2@46.749,26.01
  Bottom Layer w0.381: S9.1@35.066,30.114 37.49,32.538 37.49,36.833 S6.1@35.142,39.182 36.728,40.768 36.728,47.933 S3.1@35.142,49.519
NetR15_2: R15.2 R18.2 S1.1 S4.1 S7.1 | length 63.1
  Top Layer w0.381: S7.1@11.165,30.241 12.827,31.903 12.827,37.545 S4.1@11.215,39.156 12.649,40.59 12.649,48.187 S1.1@11.342,49.494 12.75,50.902 45.784,50.902 46.749,49.936 46.736,49.924 46.736,44.945 R15.2@46.723,44.933
NetR23_2: R23.2 U2.16 | length 24.2
  Top Layer w0.381: v1(-66.002,21.869) -65.976,21.895 -63.921,21.895 U2.16@-63.895,21.92 ; v1(-52.514,35.408) -52.502,35.42 R23.2@-52.502,38.303
  MID TOP w0.381: v1(-66.002,21.869) -66.002,21.92 v1(-52.514,35.408)
NetR24_2: R24.2 U2.15 | length 21.7
  Top Layer w0.381: v1(-65.926,20.752) -65.875,20.701 -63.946,20.701 U2.15@-63.895,20.65 ; R24.2@-52.553,32.969 -52.553,31.305 v1(-52.464,31.217)
  MID TOP w0.381: v1(-65.926,20.752) -65.9,20.726 -62.954,20.726 v1(-52.464,31.217)
NetR25_2: R25.2 U2.14 | length 15
  Top Layer w0.381: U2.14@-63.895,19.38 -60.503,19.38 -52.502,27.381 R25.2@-52.502,27.635
NetR26_2: R26.2 U2.13 | length 13.6
  Top Layer w0.305: U2.13@-63.895,18.11 -55.715,18.11 -52.615,21.21 -52.615,22.162 R26.2@-52.527,22.25
NetR27_2: R27.2 U2.12 | length 12.8
  Top Layer w0.381: U2.12@-63.895,16.84 -62.352,16.84 -61.056,15.545 -53.505,15.545 -52.946,16.104 -52.946,16.777 R27.2@-52.629,17.094
NetR28_2: R28.2 U2.11 | length 13.5
  Top Layer w0.381: U2.11@-63.895,15.57 -62.339,15.57 -61.373,14.605 -53.2,14.605 -52.578,13.983 R28.2@-52.578,12.446
NetR29_2: R29.2 U2.10 | length 12
  Top Layer w0.381: v1(-73.406,15.646) -73.406,15.729 -73.095,16.04 -73.095,17.456 R29.2@-73.076,17.475 ; v1(-66.002,14.834) -65.985,14.834 -65.452,14.3 U2.10@-63.895,14.3
  MID TOP w0.381: v1(-73.406,15.646) -66.815,15.646 v1(-66.002,14.834)
"OPAMP2 IN": IC4.5 J25.2 | length 21.6
  Top Layer w0.508: v1(-18.478,-56.896) -18.453,-56.921 -16.834,-56.921 IC4.5@-16.809,-56.947
  Bottom Layer w0.508: J25.2@-37.325,-56.363 -35.776,-57.912 -19.494,-57.912 v1(-18.478,-56.896)
"OPAMP IN": "T PAD1.2" IC4.3 IC16.6 J19.1 | length 166.3
  Top Layer w0.305: IC4.3@-22.231,-55.677 v1(-20.206,-55.677)
  Top Layer w0.381: J19.1@4.953,76.429 5.512,76.987 5.512,81.14 5.512,81.849 3.975,83.386 3.975,85.166 4.641,85.832 IC16.6@5.883,85.832
  MID TOP w0.305: v1@-29.654,7.391 v1(-29.654,7.468)
  MID TOP w0.381: v1@-29.654,7.391 4.953,41.999 J19.1@4.953,76.429
  MID BOTTOM w0.381: v1(-29.654,7.468) -28.257,6.071 -28.257,-51.029 v1(-27.826,-51.46)
  Bottom Layer w0.305: -23.609,-55.677 v1(-20.206,-55.677)
  Bottom Layer w0.381: v1(-27.826,-51.46) -23.609,-55.677
OSC11: C22.1 IC7.2 Y1.2 | length 10.9
  Top Layer w0.381: C22.1@15.812,76.657 15.951,76.517 21.336,76.517 Y1.2@21.476,76.378 21.281,76.573 21.281,77.005 19.469,78.816 IC7.2@19.469,80.669
OSC12: C21.1 IC7.3 Y1.1 | length 13.3
  Top Layer w0.381: IC7.3@20.739,80.669 20.739,79.223 23.584,76.378 Y1.1@26.302,76.378 26.441,76.517 31.191,76.517 C21.1@31.331,76.657
OSC41: 2.1 C35.1 ENC1.23 | length 10.4
  Top Layer w0.381: C35.1@-60.808,-29.159 -60.808,-25.756 2.1@-59.741,-24.689 -57.369,-22.317 ENC1.23@-57.369,-20.212
OSC42: 2.2 C36.1 ENC1.24 | length 10.1
  Top Layer w0.381: ENC1.24@-56.719,-20.212 -56.719,-22.885 2.2@-54.915,-24.689 -53.823,-25.781 C36.1@-53.823,-29.159
OUT1: DS1.3 DS1.8 Q3.5 | length 34.5
  Top Layer w0.381: Q3.5@-89.556,17.475 -87.744,17.475 v1(-87.236,17.983)
  MID TOP w0.381: v1(-87.236,17.983) -85.166,17.983 -70.358,32.791 DS1.3@-70.079,32.791
  Bottom Layer w0.381: DS1.3@-70.079,32.791 -68.657,34.214 -63.982,34.214 DS1.8@-62.559,32.791
OUT1A: IC1.17 P4.3 R7.1 | length 28.5
  Top Layer w0.508: IC1.17@45.935,-52.502 49.689,-52.502 49.778,-52.591 55.607,-52.591 55.696,-52.502 64.117,-52.502 ; R7.1@60.49,-59.233 60.49,-56.437 64.233,-52.695 64.805,-52.123 P4.3@64.959,-51.968 64.65,-51.968 64.078,-52.54
OUT1B: IC1.14 P4.1 R8.1 | length 33.3
  Top Layer w0.381: IC1.14@45.935,-56.312 47.562,-56.312 v1(47.612,-56.261)
  Top Layer w0.508: R8.1@60.897,-38.151 60.897,-39.84 61.976,-40.919 61.976,-43.905 P4.1@64.959,-46.888
  Bottom Layer w0.381: v1(47.612,-56.261) 56.985,-46.888 P4.1@64.959,-46.888
OUT2: DS2.3 DS2.8 Q3.2 | length 28
  Top Layer w0.381: Q3.2@-92.156,17.475 -93.434,17.475 -94.272,18.313 -94.272,24.169 DS2.3@-85.65,32.791
  Bottom Layer w0.381: DS2.3@-85.65,32.791 DS2.8@-78.13,32.791
OUT2A: IC1.20 P4.4 R11.1 | length 31.6
  Top Layer w0.381: IC1.20@45.935,-48.692 46.062,-48.819 46.121,-48.76 47.96,-48.76 v1(48.019,-48.819) ; R11.1@60.465,-62.763 60.465,-62.509 61.506,-61.468 61.506,-57.961 P4.4@64.959,-54.508
  MID TOP w0.381: v1(48.019,-48.819) 59.27,-48.819 P4.4@64.959,-54.508